# KiCad board GMWM Analysis Board.kicad_pcb (continued)
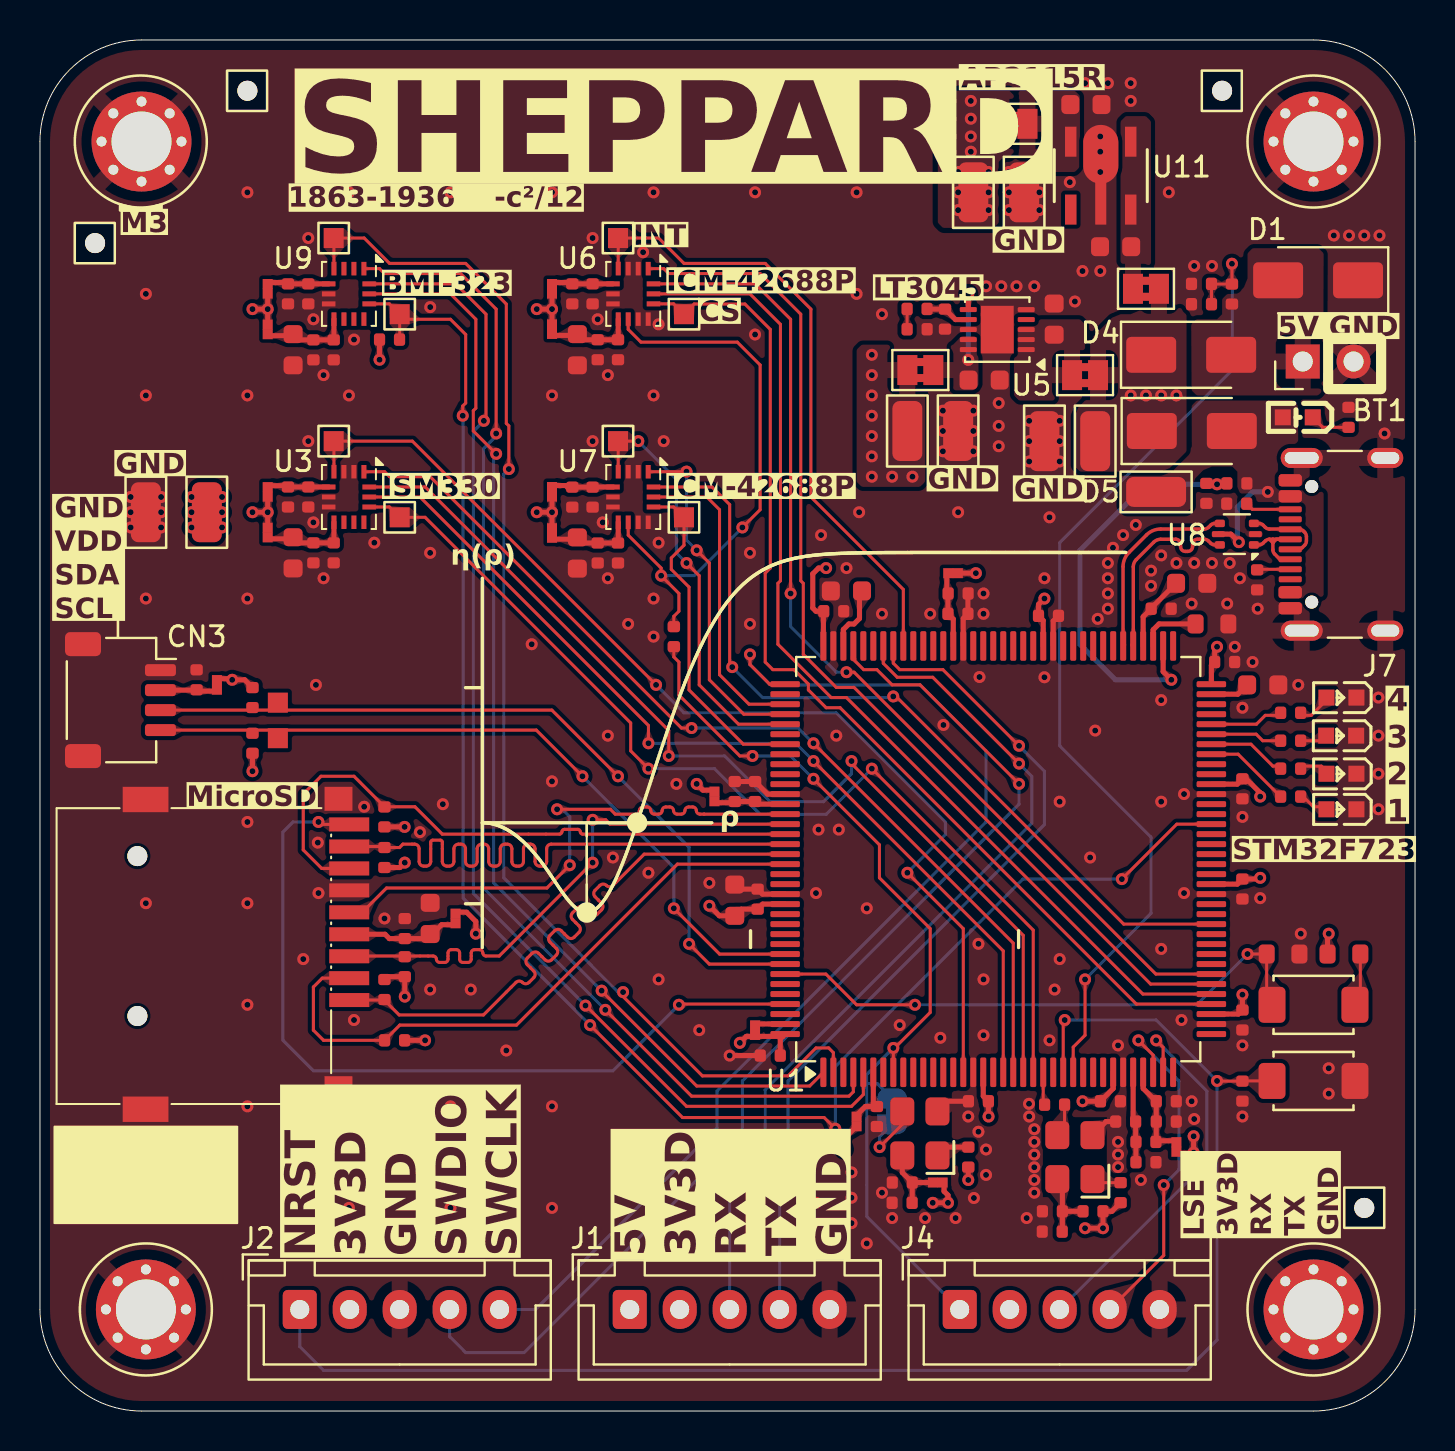
[diagram p0: board, top side]
## Routing (per net, layer and track width the routed paths; a pad name or vN(x,y) marks a point on that pad's centre or on a via; arc(x,y) is an arc through that point) (continued)
/Connectors & Power/CC_{1}: length 1.7
  Top w0.152: R11.1 60.93,42.1 J7.A5
/Connectors & Power/CC_{2}: length 2.3
  Top w0.152: R12.1 60.66,45.1 J7.B5
/Connectors & Power/SET: length 2.3
  Top w0.254: R9.1 44.39,55.12 C14.1 45.81,54.59 46.45,54.59
/Connectors & Power/USB_DN: length 4.1
  Top w0.171: 61.94,43.61 61.86,43.61 61.69,43.44 ; 61.94,43.61 61.69,43.61 ; 61.94,43.61 62.54,43.61 ; 61.69,43.44 61.69,43.43 ; 61.69,43.44 61.52,43.61 ; U8.1 60.98,43.32 arc(61.1,43.35) 61.2,43.41 61.3,43.52 arc(61.4,43.58) 61.52,43.61 ; J7.B7 62.04,42.6 61.77,42.87 arc(61.71,42.96) 61.69,43.08 61.69,43.43 ; 61.69,43.43 61.69,43.61 ; 61.52,43.61 61.69,43.61
/Connectors & Power/USB_DP: length 4.2
  Top w0.171: 62.54,44.12 61.52,44.12 arc(61.4,44.14) 61.3,44.2 61.2,44.31 arc(61.1,44.38) 60.98,44.4 U8.3 ; J7.B6 63,44.1 arc(63.12,44.08) 63.22,44.02 63.28,43.96 arc(63.34,43.86) 63.36,43.74 63.36,43.52 arc(63.34,43.41) 63.28,43.31 63.16,43.19 arc(63.06,43.13) 62.95,43.1 J7.A6
/MCU STM32F723/BOOT0: length 28.4
  Top w0.152: S2.1 61.37,20.59 R1.1 v1(60.42,22.86) ; U1.138 39.32,21.86 40.86,20.32 v1(43.78,20.32)
  Bottom w0.152: v1(43.78,20.32) 57.88,20.32 v1(60.42,22.86)
/MCU STM32F723/IN_HSE: length 1.6
  Top w0.152: R6.2 50.2,15.39 U1.23
/MCU STM32F723/IN_LSE_{RAW}: length 4.3
  Top w0.152: 42.7,15.43 43.14,14.99 43.14,14.34 v1(42.01,13.2)
  Bottom w0.152: v1(42.01,13.2) 42.01,13.71 JP1.2
/MCU STM32F723/OUT_HSE: length 1.7
  Top w0.152: X1.3 51.26,14.16 R6.1
/MCU STM32F723/PDR_ON: length 1.5
  Top w0.254: 35.78,19.36 37.28,19.36 U1.143
/MCU STM32F723/REXTPHYHS: length 3.1
  Top w0.254: R3.1 55.99,39.37 55.7,39.08 U1.75
/MCU STM32F723/VCAP_1: length 2
  Top w0.254: U1.71 59.93,35.86 C5.1
/MCU STM32F723/VCAP_2: length 3.2
  Top w0.254: 41,41.02 41,39.64 40.73,39.37 40.47,39.37 40.2,39.09 U1.106
/MCU STM32F723/VREF+: length 4.6
  Top w0.254: U1.32 54.7,14.6 C7.1 54.82,13.48 R4.1 C3.1
CD: length 41.1
  Top w0.152: v1(31.97,20.32) 32,20.36 U1.141 ; J3.9 14.06,29.34 v1(13.93,29.46)
  Bottom w0.152: v1(13.93,29.46) 12.66,29.46 12.16,28.96 12.16,18.54 13.68,17.02 28.67,17.02 v1(31.97,20.32)
CLK_{SD}: length 28
  Top w0.155: v1(25.87,30.1) 28.54,30.1 28.78,29.86 29.81,29.86 arc(29.94,29.91) 29.99,30.04 arc(30.04,30.16) 30.17,30.22 30.38,30.22 arc(30.51,30.16) 30.56,30.04 arc(30.61,29.91) 30.74,29.86 30.95,29.86 arc(31.08,29.91) 31.13,30.04 arc(31.18,30.16) 31.31,30.22 31.52,30.22 arc(31.65,30.16) 31.7,30.04 arc(31.75,29.91) 31.88,29.86 32.09,29.86 arc(32.22,29.91) 32.27,30.04 arc(32.32,30.16) 32.45,30.22 32.66,30.22 arc(32.79,30.16) 32.84,30.04 arc(32.89,29.91) 33.02,29.86 U1.122 ; v1(26.51,27.3) 25.36,26.16 17.34,26.16 16.12,24.95 J3.5
  Bottom w0.155: v1(26.51,27.3) 26.51,29.72 26.13,30.1 v1(25.87,30.1)
CMD: length 27.9
  Top w0.155: U1.123 28.52,29.36 28.3,29.57 v1(27.65,29.57) ; v1(27.65,27.43) 22.98,22.76 22.32,22.76 arc(22.2,22.81) 22.16,22.92 arc(22.11,23.03) 22,23.08 21.74,23.08 arc(21.62,23.03) 21.58,22.92 21.58,22.6 arc(21.53,22.49) 21.42,22.44 21.16,22.44 arc(21.04,22.49) 21,22.6 21,22.92 arc(20.95,23.03) 20.84,23.08 20.58,23.08 arc(20.46,23.03) 20.42,22.92 20.42,22.6 arc(20.37,22.49) 20.26,22.44 20,22.44 arc(19.88,22.49) 19.84,22.6 arc(19.79,22.71) 19.68,22.76 15.48,22.76 J3.3
  Bottom w0.155: v1(27.65,29.57) v1(27.65,27.43)
CS_{1}: length 53.1
  Top w0.152: U1.40 54.86,20.36 40.03,35.18 39.33,35.18 38.44,36.07 38.44,36.36 37.72,37.08 36.67,37.08 36.29,37.47 36.29,41.91 36.54,42.16 36.54,54.1 35.27,55.37 32.73,55.37 TP29.1 31.71,55.38 U6.12
CS_{2}: length 16.9
  Top w0.152: U1.115 35.19,33.36 32.48,36.07 32.48,41.21 31.59,42.1 31.59,42.67 32.22,43.31 TP28.1 31.71,45.22 U7.12
CS_{3}: length 51.8
  Top w0.152: v1(41.62,32.13) 49.7,24.05 U1.22 ; v1(30.44,32.13) 29.55,33.02 29.55,34.42 19.27,44.7 TP30.1 17.48,45.22 U3.12
  Bottom w0.152: v1(30.44,32.13) 33.75,32.13 36.03,29.84 39.33,29.84 v1(41.62,32.13)
CS_{4}: length 85.3
  Top w0.152: R20.2 18,53.6 TP31.1 ; U1.58 56.88,29.36 v1(54.13,26.61) ; v1(21.15,49.78) 21.15,50.27 21.3,50.42 21.3,53.85 20.54,54.61 18.25,54.61 TP31.1 ; U9.12 17.48,55.38 TP31.1 ; v1(39.79,14.12) 39.23,14.68 32.15,14.68 v1(27.52,19.3)
  Bottom w0.152: v1(54.13,26.61) 49.18,26.61 39.79,17.22 v1(39.79,14.12) ; v1(21.15,49.78) 21.15,49.55 21.17,49.53 21.17,25.65 v1(27.52,19.3)
DAT0: length 31.4
  Top w0.155: J3.7 14.1,27.14 13.17,28.07 13.17,30.86 14.06,31.75 15.71,31.75 17.24,30.23 18.76,30.23 20.13,28.86 25.99,28.86 arc(26.08,28.89) 26.11,28.98 arc(26.15,29.06) 26.23,29.1 26.91,29.1 arc(27,29.06) 27.03,28.98 arc(27.07,28.89) 27.15,28.86 U1.124
DAT1: length 33.2
  Top w0.155: U1.125 25.58,28.36 arc(25.42,28.29) 25.35,28.12 25.35,27.49 arc(25.28,27.32) 25.12,27.26 25,27.26 arc(24.84,27.32) 24.77,27.49 24.77,28.12 arc(24.7,28.29) 24.54,28.36 24.42,28.36 arc(24.26,28.29) 24.19,28.12 24.19,27.49 arc(24.12,27.32) 23.96,27.26 23.84,27.26 arc(23.68,27.32) 23.61,27.49 23.61,28.12 arc(23.54,28.29) 23.38,28.36 23.26,28.36 arc(23.1,28.29) 23.03,28.12 23.03,27.49 arc(22.96,27.32) 22.8,27.26 22.68,27.26 arc(22.52,27.32) 22.45,27.49 22.45,28.12 arc(22.38,28.29) 22.22,28.36 22.1,28.36 arc(21.94,28.29) 21.87,28.12 21.87,27.49 arc(21.8,27.32) 21.64,27.26 21.52,27.26 arc(21.36,27.32) 21.29,27.49 21.29,28.12 arc(21.22,28.29) 21.06,28.36 20.94,28.36 arc(20.78,28.29) 20.71,28.12 20.71,27.49 arc(20.64,27.32) 20.48,27.26 20.36,27.26 arc(20.2,27.32) 20.13,27.49 20.13,28.46 arc(20.1,28.53) 20.03,28.56 19.65,28.56 arc(19.58,28.53) 19.55,28.46 19.55,27.49 arc(19.48,27.32) 19.32,27.26 19.2,27.26 arc(19.04,27.32) 18.97,27.49 18.97,28.12 arc(18.9,28.29) 18.74,28.36 18.16,28.36 17.99,28.19 R25.2 ; 17.24,28.24 J3.8
DAT2: length 31
  Top w0.155: U1.126 30.23,27.86 28.67,26.29 arc(28.5,26.22) 28.34,26.29 arc(28.18,26.36) 28.02,26.29 27.77,26.05 arc(27.71,25.89) 27.77,25.72 28.1,25.4 arc(28.17,25.24) 28.1,25.07 27.86,24.83 arc(27.7,24.76) 27.53,24.83 27.21,25.16 arc(27.05,25.22) 26.88,25.16 26.64,24.92 arc(26.58,24.75) 26.64,24.59 26.97,24.27 arc(27.04,24.1) 26.97,23.94 26.73,23.7 arc(26.57,23.63) 26.4,23.7 26.08,24.03 arc(25.92,24.09) 25.75,24.03 25.51,23.79 arc(25.44,23.62) 25.51,23.46 25.84,23.14 arc(25.9,22.97) 25.84,22.81 25.6,22.57 arc(25.43,22.5) 25.27,22.57 24.95,22.89 arc(24.78,22.96) 24.62,22.89 24.38,22.65 arc(24.31,22.49) 24.38,22.33 24.71,22 arc(24.77,21.84) 24.71,21.68 24.47,21.44 arc(24.3,21.37) 24.14,21.44 arc(23.98,21.51) 23.82,21.44 22.19,19.81 17.97,19.81 17.23,20.56 J3.1
DAT3: length 31.6
  Top w0.155: U1.127 31.89,27.36 23.84,19.3 18,19.3 17.24,18.54 14.19,18.54 13.68,19.05 13.68,21.21 14.12,21.65 J3.2
IN_LSE: length 46
  Top w0.152: R30.2 31.71,37.72 31.97,37.47 31.97,35.81 35.02,32.77 v1(35.65,32.77) ; v1(38.7,31.62) 42,28.32 42,26.67 44.54,24.13 44.54,19.94 42.76,18.16 v1(42.7,18.16) U1.8
  Bottom w0.152: J4.1 41.37,9.73 41.37,16.38 ; JP1.1 41.89,16.38 41.37,16.38 ; v1(38.7,31.62) 37.56,32.77 v1(35.65,32.77) ; 41.37,16.38 41.37,16.83 v1(42.7,18.16)
IN_LSE_SENSOR: length 27.8
  Top w0.152: U6.9 29.43,54.1 30.07,53.47 34.89,53.47 36.03,52.32 36.03,45.08 v1(35.14,44.2) ; U7.9 29.43,43.81 31.08,42.16 v1(31.08,41.78) 31.97,40.89 31.97,40 31.71,39.75 R30.1
  Bottom w0.152: v1(35.14,44.2) 32.73,41.78 v1(31.08,41.78)
INT_{1.1}: length 31.4
  Top w0.152: U6.4 28.93,58.66 TP15.1 30.95,58.67 32.22,57.4 36.29,57.4 38.57,55.12 38.57,45.72 43.2,41.1 U1.100
INT_{2.1}: length 21.1
  Top w0.152: U1.113 34.95,34.36 32.98,36.32 32.98,41.78 v1(32.35,42.42) ; v1(29.94,48.51) TP17.1 28.93,48.5 U7.4
  Bottom w0.152: v1(32.35,42.42) 31.84,42.93 31.84,46.61 v1(29.94,48.51)
INT_{3.1}: length 54.5
  Top w0.152: U3.4 14.71,48.5 TP26.1 18.63,48.51 v1(30.82,36.32) ; U1.15 46.2,24.13 v1(43.4,26.92)
  Bottom w0.152: v1(43.4,26.92) 45.3,28.83 45.3,29.46 39.84,34.92 32.22,34.92 v1(30.82,36.32)
INT_{4.1}: length 62.8
  Top w0.152: v1(23.46,47.12) 23.46,49.28 23.33,49.4 23.33,55.37 21.3,57.4 17.49,57.4 16.22,58.67 TP27.1 14.7,58.42 14.71,58.41 U9.4 ; U1.2 39.7,17.93 39.46,18.16 38.83,18.16 37.43,16.76 33.14,16.76 29.17,20.73 v1(29.17,20.95)
  Bottom w0.152: v1(23.46,47.12) 23.2,46.86 23.2,26.67 28.92,20.95 v1(29.17,20.95)
LED_{1}: length 4.3
  Top w0.152: U1.65 59.95,32.86 62.07,30.73 R16.1
LED_{2}: length 3.9
  Top w0.152: U1.66 60.59,33.36 61.69,32.26 62.07,32.26
LED_{3}: length 3.6
  Top w0.152: R18.1 61.18,33.53 60.85,33.86 U1.67
LED_{4}: length 3.6
  Top w0.152: U1.68 60.86,34.36 61.3,34.8 62.07,34.8
MISO_{1}: length 52.9
  Top w0.152: U6.1 31.21,57.14 31.46,56.9 36.03,56.9 38.06,54.86 38.06,41.53 38.19,41.4 38.19,37.85 39.84,36.19 40.73,36.19 55.57,21.36 U1.42
MISO_{2}: length 17.3
  Top w0.152: U1.112 35.21,34.86 33.49,36.58 33.49,42.42 v1(32.86,43.05) ; U7.1 32.34,46.98 v1(32.35,46.99)
  Bottom w0.152: v1(32.35,46.99) 32.35,43.56 v1(32.86,43.05)
MISO_{3}: length 48.7
  Top w0.152: v1(38.7,33.4) 48.7,23.4 U1.20 ; v1(32.6,34.16) 32.09,34.16 19.52,46.74 17.49,46.74 17.24,46.98 U3.1
  Bottom w0.152: v1(32.6,34.16) 37.94,34.16 v1(38.7,33.4)
MISO_{4}: length 60.6
  Top w0.152: U1.4 40.7,15.97 40.48,15.75 32.6,15.75 v1(28.28,20.07) ; v1(22.82,48.89) 22.82,55.12 21.05,56.9 17.24,56.9 16.99,57.14 U9.1
  Bottom w0.152: v1(22.82,48.89) 22.82,48.77 22.19,48.13 22.19,26.16 v1(28.28,20.07)
MOSI_{1}: length 51.2
  Top w0.152: v1(40.35,36.96) 40.73,36.96 55.83,21.86 U1.43 ; v1(37.56,40.89) 37.56,54.61 35.79,56.38 U6.14
  Bottom w0.152: v1(40.35,36.96) 39.84,36.96 37.56,39.24 v1(37.56,40.89)
MOSI_{2}: length 41.7
  Top w0.152: U1.48 54.22,24.36 42.83,35.74 v1(42.69,35.74) ; U7.14 33.63,46.22 34.51,45.34 34.51,37.34 v1(34.63,37.21)
  Bottom w0.152: v1(42.69,35.74) 42.63,35.68 36.17,35.68 v1(34.63,37.21)
MOSI_{3}: length 51.7
  Top w0.152: U3.14 19.28,46.22 31.46,34.04 v1(31.46,32.77) ; v1(40.6,32.51) 40.6,32.39 49.2,23.79 U1.21
  Bottom w0.152: v1(31.46,32.77) 34.25,32.77 36.54,30.48 39.21,30.48 40.6,31.88 v1(40.6,32.51)
MOSI_{4}: length 61
  Top w0.152: v1(22.21,49.53) 22.32,49.64 22.32,54.86 20.8,56.38 U9.14 ; U1.5 41.2,15.83 40.6,15.24 32.35,15.24 27.4,20.19 27.27,20.19
  Bottom w0.152: v1(22.21,49.53) 21.68,49 21.68,25.89 v1(27.29,20.28)
NRST: length 76.1
  Top w0.152: U1.25 51.2,19.48 v1(51.27,19.56) ; v1(58.89,16.51) 58.9,16.5 C1.1 60.17,16.51 S1.1
  Bottom w0.152: J2.1 13,3.22 14.19,2.03 57.37,2.03 58.89,3.56 v1(58.89,16.51) 55.84,19.56 v1(51.27,19.56)
RX_{1}: length 19.3
  Top w0.152: U1.35 56.2,18.19 v1(55.84,18.54)
  Bottom w0.152: v1(55.84,18.54) 58.38,16 58.38,12.45 J4.3
RX_{2}: length 43.6
  Top w0.152: U1.102 42.2,37.4 42.89,36.7 44.67,36.7 v1(48.99,32.39)
  Bottom w0.152: J1.3 34.51,11.56 36.29,13.33 36.29,16.07 49.62,29.4 49.62,31.75 v1(48.99,32.39)
SCK_{1}: length 52
  Top w0.152: U6.13 35.52,55.88 37.05,54.36 37.05,41.53 36.92,41.4 36.92,38.35 39.59,35.69 40.35,35.69 55.18,20.86 U1.41
SCK_{2}: length 15.7
  Top w0.152: U1.111 35.47,35.36 34,36.83 34,45.08 33.36,45.72 U7.13
SCK_{3}: length 47.7
  Top w0.152: v1(30.44,33.4) 30.44,34.29 19.01,45.72 U3.13 ; U1.19 48.2,23.02 v1(38.7,32.51)
  Bottom w0.152: v1(30.44,33.4) 37.81,33.4 v1(38.7,32.51)
SCK_{4}: length 55.6
  Top w0.152: v1(28.1,21.03) 28.1,21.01 32.86,16.26 38.51,16.26 U1.1 ; v1(22.82,47.88) 21.68,49.02 21.68,50.04 21.81,50.16 21.81,54.61 20.54,55.88 U9.13
  Bottom w0.152: v1(22.82,47.88) 22.7,47.75 22.7,26.42 28.09,21.03 v1(28.1,21.03)
SCL: length 37.1
  Top w0.155: U1.136 34,22.86 v1(31.71,25.15) ; CN3.4 24.83,34.06 v1(27.14,31.75)
  Bottom w0.155: v1(31.71,25.15) 31.71,27.18 v1(27.14,31.75)
SDA: length 39.3
  Top w0.155: v1(32.48,23.37) 33.49,22.36 U1.137 ; CN3.3 25.61,35.06 v1(28.92,31.75)
  Bottom w0.155: v1(28.92,31.75) 32.48,28.19 v1(32.48,23.37)
SWCLK: length 55.9
  Top w0.152: v1(35.52,37.85) 35.52,37.34 36.51,36.36 U1.109
  Bottom w0.152: v1(35.52,37.85) 35.52,37.34 36.54,36.32 44.03,36.32 47.33,33.02 47.33,29.46 33.87,16 33.87,14.16 24.79,5.08 J2.5
SWDIO: length 55.7
  Top w0.152: v1(48.99,31.37) 44.03,36.32 42.64,36.32 41.87,37.08 41.21,37.08 40.7,37.6 U1.105
  Bottom w0.152: J2.4 20.5,3.72 21.3,2.92 24.22,2.92 35.14,13.84 35.14,16.51 48.99,30.35 v1(48.99,31.37)
TX_{1}: length 17.6
  Top w0.152: J4.4 56.22,7.79 v1(56.22,11.3) ; U1.34 55.7,17.8 v1(54.95,18.54)
  Bottom w0.152: v1(56.22,11.3) 56.99,12.06 56.99,16.51 v1(54.95,18.54)
TX_{2}: length 43.1
  Top w0.152: v1(48.99,33.27) 45.18,37.08 43.02,37.08 42.7,37.41 U1.101
  Bottom w0.152: v1(48.99,33.27) 50.26,32 50.26,29.34 37.43,16.51 37.43,12.83 37.01,12.41 J1.4
USB_D+: length 9.9
  Top w0.171: U8.4 58.78,44.4 arc(58.67,44.38) 58.57,44.31 58.46,44.2 arc(58.37,44.14) 58.25,44.12 56.07,44.12 arc(55.69,44.04) 55.36,43.82 54.48,42.94 arc(54.27,42.62) 54.19,42.24 54.19,38.27 U1.78
  Top w0.194: U1.78 54.25,38.32
USB_D-: length 9.9
  Top w0.171: U1.77 54.7,38.27 54.7,42.23 arc(54.74,42.42) 54.85,42.58 55.72,43.46 arc(55.88,43.57) 56.08,43.61 56.83,43.61 arc(57,43.54) 57.07,43.37 57.07,43.24 arc(57.14,43.07) 57.31,43 57.43,43 arc(57.6,43.07) 57.67,43.24 57.67,43.37 arc(57.74,43.54) 57.91,43.61 58.25,43.61 arc(58.37,43.58) 58.46,43.52 58.57,43.41 arc(58.67,43.35) 58.78,43.32 U8.6
  Top w0.194: 54.64,38.32 U1.77
USB_{VBUS}: length 21.1
  Top w0.254: R13.2 R14.1 ; v1(56.61,36.58) 56.2,36.99 U1.74
  Bottom w0.254: v1(56.61,36.58) 53.81,36.58 52.03,38.35 52.03,43.05 55.34,46.36 v1(58.89,46.36)
Net-(LED6-K): length 2
  Top w0.152: R26.1 64.18,49.2 LED6.2
Net-(LED7-A): length 1.6
  Top w0.152: 64.37,30.23 63.71,30.23 63.07,30.86
Net-(LED8-A): length 1.4
  Top w0.152: 64.37,32 64.11,32.26 63.07,32.26
Net-(LED9-A): length 1.4
  Top w0.152: LED9.2 64.1,33.53 R18.2
Net-(LED10-A): length 1.6
  Top w0.152: 63.07,34.8 63.6,34.8 64.37,35.56
Net-(R10-Pad1): length 1
  Top w0.152: R9.2 R10.1
Net-(S2-B): length 2.7
  Top w0.152: S2.2 66.06,20.59 R2.1
Net-(U2-ED/NC): length 1.7
  Top w0.254: R5.1 45.32,13.2 U2.1
Net-(X1-Standby): length 1.5
  Top w0.152: X1.1 52.84,11.42 R8.1

## Copper pours and planes (outline as drawn; the poured copper is in the pictures)
+3V3 on Top: 43.91,53.34 43.91,51.05 44.29,51.05 44.29,46.23 40.86,46.23 40.86,53.34
+3V3 on In2.Cu: 35.78,40.64 -9.94,40.64 -9.94,76.2 35.78,76.2
+3V3 on In2.Cu: 44.41,45.97 44.41,53.59 37.68,53.59 35.78,55.63 35.78,43.69 37.94,45.97
+3V3D on Top: 48.76,66.04 48.76,62.74 47.97,62.74 47.97,59.18 44.92,59.18 44.92,66.04
+3V3D on In2.Cu: 81.42,81.36 81.5,-10.16 -15.02,-10.16 -15.02,81.28
+5V on Top: 57.37,48.01 56.35,46.99 51.78,46.99 51.78,50.04 52.54,50.8 52.54,53.59 53.81,54.86 54.83,54.86 55.59,55.63 55.59,56.9 57.37,56.9 57.37,48.01
/Connectors & Power/3V3_{AP2115} on Top: 52.03,66.04 52.03,61.98 50.26,61.98 50.26,62.74 48.76,62.74 48.76,66.04
/Connectors & Power/3V3_{LT3045} on Top: 46.95,53.85 46.95,51.05 43.91,51.05 43.91,53.34 45.94,53.34 45.94,53.85
/Connectors & Power/5V_{AP2115} on Top: 54.83,54.86 55.59,55.63 55.59,64.77 54.07,64.77 54.07,54.86
/Connectors & Power/5V_{LT3045} on Top: 52.29,50.55 52.29,54.61 48.73,54.61 48.73,50.55
/Connectors & Power/5V_{VBAT} on Top: 64.2,50.8 57.62,50.8 57.6,54.61 59.15,54.61 59.15,55.88 59.91,55.87 60.42,56.4 60.42,58.17 64.23,58.17
/Connectors & Power/VBUS on Top: 61.94,40.39 64.23,40.39 64.23,46.23 61.94,46.23 61.94,47.75 62.45,48.26 62.96,48.26 62.93,50.55 57.62,50.55 57.63,48.01 56.61,46.99 54.07,46.99 54.07,44.96 57.63,44.96 57.63,46.48 58.38,47.24 59.91,47.24 59.91,45.97 60.42,45.47 61.94,45.47
GND on Top, Bottom, In1.Cu: 71.34,71.12 71.34,-5.08 -4.86,-5.08 -4.86,71.12

Small or netless copper shapes (teardrops, artwork), in the pictures only: 459 on Top, 75 on Bottom, 1 on In2.Cu

## Text on the board
B.Silkscreen: Δ | LSE JUMPER | Notes
F.Silkscreen: GND / VDD / SDA / SCL | GND | M3 | MicroSD | 1863-1936    -c²/12 | BMI-323 | ISM330 | η(ρ) | INT | ICM-42688P | CS | ρ | LT3045 | AP2115R | STM32F723 | 5V GND | LSE / 3V3D / RX / TX / GND | 4 / 3 / 2 / 1 | NRST / 3V3D / GND / SWDIO / SWCLK | 5V / 3V3D / RX / TX / GND | SHEPPARD
